# Altium PCB Engineer_Control.PcbDoc (part 2 of 2)
Units mil, origin at the board's own origin, x right, y up, seen from the top; angles counter-clockwise.
Board outline 2700 x 2145.06 mil, 2 copper layers (Top Layer, Bottom Layer); 168 components, 125 nets, 543 pads, 374 vias.
Unrouted connection lines stored in the file: 1.
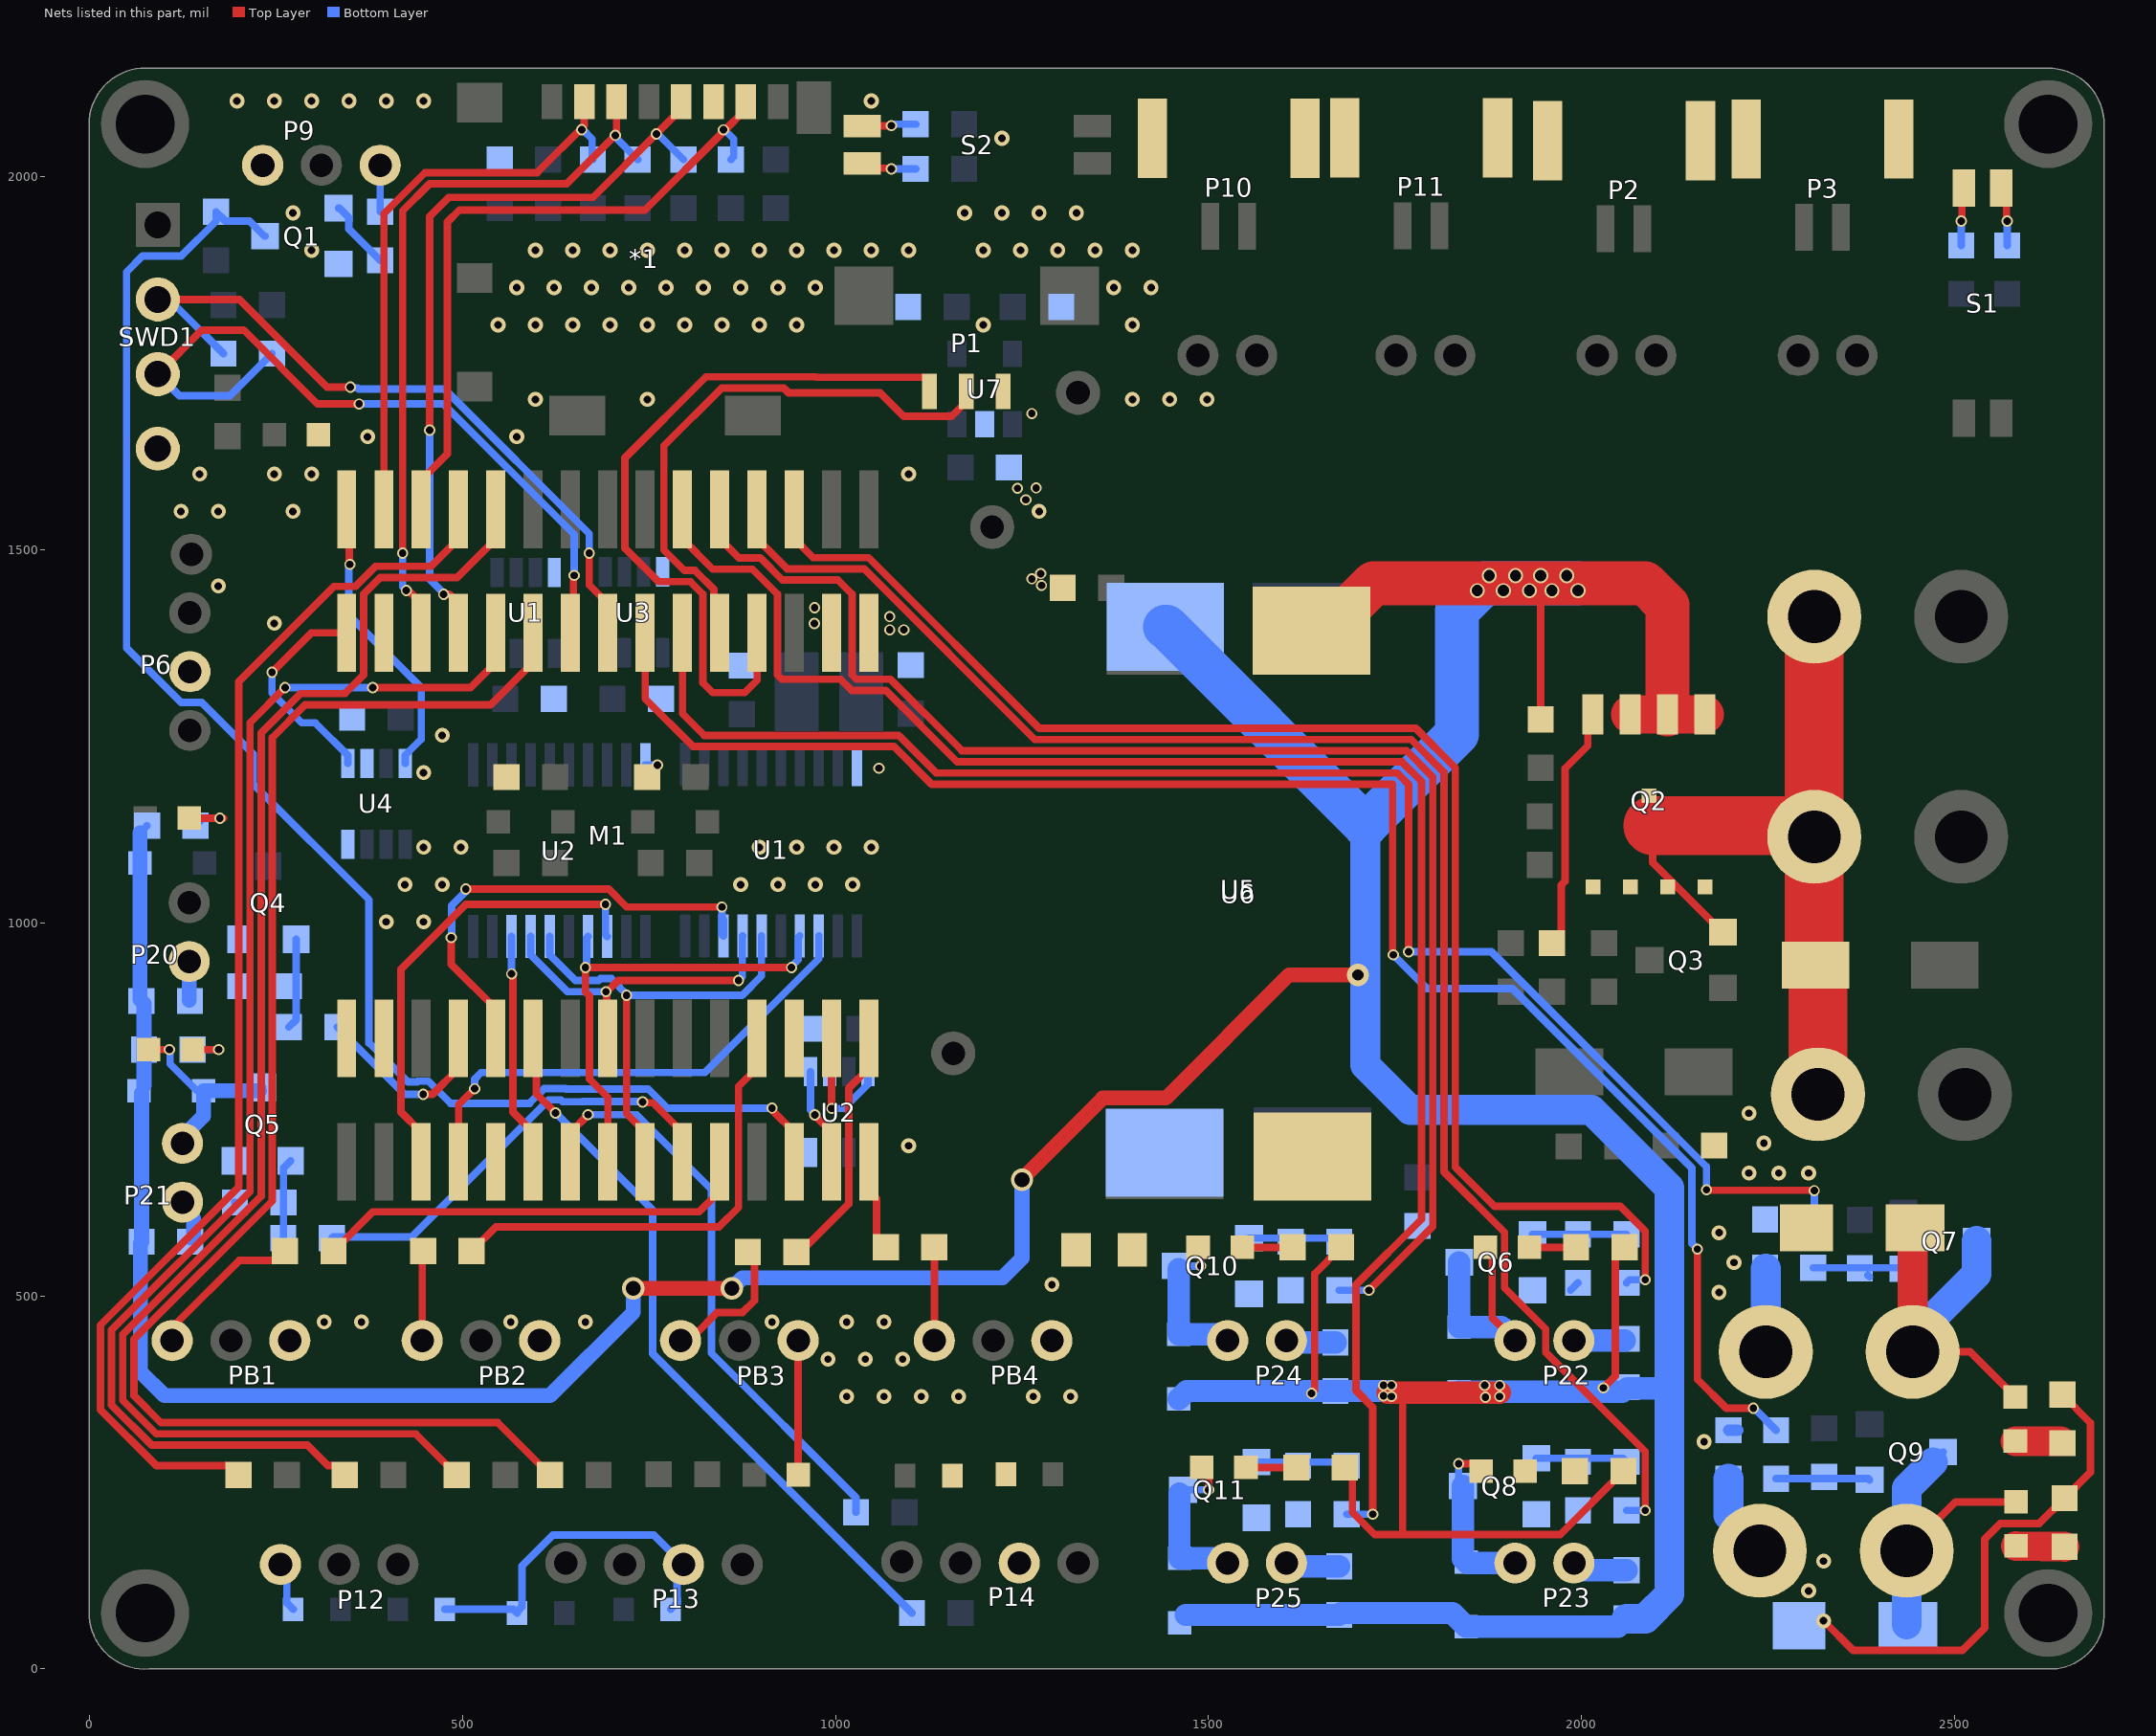
[diagram p2: the nets of this part, all layers, seen from the top]

## Via types
v1: diameter 20, hole 10, Top Layer to Bottom Layer, tented both sides, 245 vias
v2: diameter 15, hole 10, Top Layer to Bottom Layer, tented both sides, 108 vias
v3: diameter 20, hole 15, Top Layer to Bottom Layer, tented both sides, 10 vias
v4: diameter 30, hole 20, Top Layer to Bottom Layer, tented both sides, 5 vias
v5: diameter 39.37, hole 39.37, Top Layer to Bottom Layer, 2 vias
v6: diameter 55.12, hole 55.12, Top Layer to Bottom Layer, 2 vias
v7: diameter 30, hole 15, Top Layer to Bottom Layer, tented both sides, 1 vias
v8: diameter 50, hole 30, Top Layer to Bottom Layer, tented both sides, 1 vias

## Nets (pads, with @x,y where several pads share a name; then routed paths per layer and width w, separated by ;. In a path a pad name is that pad's centre, name@x,y a point inside that pad or via, vN(x,y) a via of type N, cw(c..) or ccw(c..) an arc to the next point about the centre after c; other vN are vias at no path point) (continued)
NetD12_1: D12.1 LED2.2 P21.2 Q5.3 | length 274.1
  Top Layer w10: LED2.2@79.39,830 v2(107.43,830)
  Bottom Layer w10: v2(107.43,830) 108.38,829.04 108.38,810.92 144.3,775 D12.1@153.31,775 ; Q5.3@228.31,775 Q5.3@232.52,779.21
  Bottom Layer w20: P21.2@116.58,704.37 153.31,741.1 D12.1@153.31,775 Q5.3@228.31,775
NetD13_1: D13.1 LED3.2 P22.2 Q6.3 | length 310.6
  Top Layer w10: LED3.2@1870.94,565 1880,555.94 1880,470.63 P22.2@1910.63,440
  Bottom Layer w30: Q6.3@1835.79,545 D13.1@1835.79,458.31 1892.32,458.31 P22.2@1910.63,440
NetD14_1: D14.1 LED4.2 P_out1.2 Q7.3 | length 514.1
  Top Layer w10: P_out1.2@2443.43,425 2520.51,425 LED4.2@2581,364.51 ; D14.1@2443.43,587.56 D14.1@2446.87,591
  Top Layer w40: P_out1.2@2443.43,425 D14.1@2443.43,587.56
  Bottom Layer w10: P_out1.2@2443.43,425 P_out1.2@2457.69,439.27
  Bottom Layer w40: P_out1.2@2457.69,439.27 2457.69,457.69 2529.21,529.21 Q7.3@2529.21,573.53
NetD15_1: D15.1 LED5.2 P23.2 Q8.3 | length 236.1
  Top Layer w10: v2(1835,275) 1855,275 LED5.2@1865,265
  Bottom Layer w10: v2(1835,275) 1835,250.79 Q8.3@1840.79,245 ; D15.1@1840.79,147.52 D15.1@1845,143.31 D15.1@1846.31,142
  Bottom Layer w30: D15.1@1840.79,147.52 Q8.3@1840.79,245 ; D15.1@1846.31,142 P23.2@1910.63,142
NetD16_1: D16.1 LED7.2 P24.2 Q10.3 | length 222.5
  Top Layer w10: LED7.2@1485.94,565 1489.37,561.57 v2(1489.37,540)
  Bottom Layer w10: Q10.3@1460,535.79 Q10.3@1455.79,540 v2(1489.37,540)
  Bottom Layer w30: Q10.3@1460,535.79 D16.1@1460,448.31 1517.32,448.31 P24.2@1525.63,440
NetD17_1: D17.1 LED6.2 P_out2.2 Q9.3 | length 435.8
  Top Layer w10: P_out2.2@2435.43,158.42 2500.86,223.86 LED6.2@2590,223.86
  Bottom Layer w10: D17.1@2435.43,59.44 D17.1@2436.87,58 ; Q9.3@2470.51,277.05 2470.51,278.03 2483.23,290.75 Q9.3@2484.21,290.75
  Bottom Layer w40: D17.1@2435.43,59.44 P_out2.2@2435.43,158.42 2435.43,241.96 Q9.3@2470.51,277.05
NetD18_1: D18.1 LED8.2 P25.2 Q11.3 | length 228.9
  Top Layer w10: LED8.2@1490.94,270 1500,260.94 v2(1500,240)
  Bottom Layer w10: Q11.3@1460.96,235.17 Q11.3@1465.79,240 v2(1500,240)
  Bottom Layer w30: Q11.3@1460.96,235.17 D18.1@1460.96,148.31 1519.32,148.31 P25.2@1525.63,142
NetF1_1: F1.1 P20.1 | length 53.4
  Bottom Layer w10: F1.1@134.06,895.94 F1.1@135,895
  Bottom Layer w20: F1.1@134.06,895.94 P20.1@134.06,948.03
NetF2_1: F2.1 P21.1 | length 65.7
  Bottom Layer w10: F2.1@135.26,572.5 F2.1@140,577.24
  Bottom Layer w20: P21.1@116.58,625.63 118.18,625.63 140,603.81 F2.1@140,577.24
NetF3_1: F3.1 P22.1 | length 71.7
  Bottom Layer w10: F3.1@2057.5,440 F3.1@2060,442.5
  Bottom Layer w30: P22.1@1989.37,440 F3.1@2057.5,440
NetF4_1: F4.1 P_out1.1 | length 112.8
  Bottom Layer w10: F4.1@2245.77,537.5 F4.1@2246.57,536.69
  Bottom Layer w40: P_out1.1@2246.57,425 F4.1@2246.57,536.69
NetF5_1: F5.1 P23.1 | length 74.6
  Bottom Layer w30: P23.1@1989.37,142 1998.87,132.5 F5.1@2060,132.5
NetF6_1: F6.1 P_out2.1 | length 113.9
  Bottom Layer w40: F6.1@2196.69,255 2196.69,205.91 2238.57,164.03 P_out2.1@2238.57,158.42
NetF7_1: F7.1 P24.1 | length 66.7
  Bottom Layer w30: P24.1@1604.37,440 1606.87,437.5 F7.1@1670,437.5
NetF8_1: F8.1 P25.1 | length 72.5
  Bottom Layer w30: P25.1@1604.37,142 1608.87,137.5 F8.1@1675,137.5
NetLED1_1: LED1.1 R30.2 | length 82.6
  Top Layer w10: LED1.1@134.06,1140 v2(175,1140) v2@180,1140
  Bottom Layer w10: R30.2@142.5,1130 152.5,1140 v2(175,1140)
NetLED2_1: LED2.1 R35.2 | length 70.3
  Top Layer w10: LED2.1@138.44,830 v2(173.58,830)
  Bottom Layer w10: R35.2@138.44,830 v2(173.58,830)
NetLED3_1: LED3.1 R40.2 | length 62.5
  Top Layer w10: LED3.1@1930,565 R40.2@1992.5,565
NetLED4_1: LED4.1 R43.2 | length 75
  Top Layer w10: R43.2@2641.5,305 R43.2@2644,302.5 R43.2@2655,302.5
  Top Layer w40: LED4.1@2581,305 R43.2@2641.5,305
NetLED5_1: LED5.1 R44.2
NetLED6_1: LED6.1 R49.2 | length 73
  Top Layer w10: R49.2@2647,162.5 R49.2@2655,162.5
  Top Layer w40: LED6.1@2582,164.8 R49.2@2647,163.88
NetLED7_1: LED7.1 R50.2 | length 67.5
  Top Layer w10: LED7.1@1545,565 R50.2@1612.5,564.98
NetLED8_1: LED8.1 R54.2 | length 67.5
  Top Layer w10: LED8.1@1550,270 R54.2@1617.5,270
NetP9_3: P9.3 R14.1 | length 62.5
  Bottom Layer w10: R14.1@390,1952.5 P9.3@390,2015
NetPB1_3: PB1.3 R33.1 | length 214.2
  Top Layer w10: PB1.3@111.26,440 111.26,462.56 116.27,462.56 201.21,547.5 250,547.5 R33.1@262.5,560
NetPB2_3: PB2.3 R34.1 | length 120.5
  Top Layer w10: PB2.3@446.26,440 446.26,558.76 R34.1@447.5,560
NetPB3_3: PB3.3 R38.1 | length 190
  Top Layer w10: PB3.3@792.52,440 801.15,448.63 812.36,448.63 841.28,477.56 875.43,477.56 891.42,493.55 891.42,549.84 R38.1@882.5,558.76
NetPB4_3: PB4.3 R39.1 | length 125
  Top Layer w10: PB4.3@1132.52,440 R39.1@1132.5,565
NetQ1_1: Q1.1 R14.2 | length 93.6
  Bottom Layer w10: Q1.1@334.21,1957.4 335.2,1957.4 347.91,1944.69 347.91,1929.59 R14.2@390,1887.5
NetQ2_4: Q2.4 R25.1 | length 329.3
  Top Layer w10: R25.1@1960,972.5 1972.5,985 1972.5,1050.2 1977.5,1055.2 1977.5,1206.43 2008.12,1237.05 2008.12,1272.17 Q2.4@2015,1279.06
NetQ4_1: Q4.1 R31.1 R32.2 | length 121.7
  Bottom Layer w10: R31.1@267.5,860 277.4,869.9 Q4.1@277.4,977.56
NetQ5_1: Q5.1 R36.1 R37.2 | length 107.6
  Bottom Layer w10: R36.1@260.14,577.24 260.36,577.46 R37.2@260.36,625 260.36,671.23 Q5.1@269.92,680.79
NetQ6_1: Q6.1 R41.1 R42.2 | length 125.8
  Bottom Layer w10: Q6.1@1934.21,582.4 2059.9,582.4 R41.1@2060,582.5
NetQ7_1: Q7.1 R46.1 R48.2 | length 124.4
  Bottom Layer w10: R48.2@2310,537.5 2372.5,537.5 2429.41,537.5 Q7.1@2430.79,536.13 ; R46.1@2383.6,527.5 R46.1@2385.79,525.31
NetQ8_1: Q8.1 R45.1 R47.2 | length 122.8
  Bottom Layer w10: Q8.1@1939.21,282.4 2055.1,282.4 R45.1@2060,277.5
NetQ9_1: Q9.1 R53.1 R55.2 | length 126
  Bottom Layer w10: R55.2@2260.49,255 2384.13,255 Q9.1@2385.79,253.35
NetQ10_1: Q10.1 R51.1 R52.2 | length 122.8
  Bottom Layer w10: Q10.1@1554.21,577.4 1670.1,577.4 R51.1@1675,572.5
NetQ11_1: Q11.1 R56.1 R57.2 | length 122.8
  Bottom Layer w10: Q11.1@1564.21,277.4 1680.1,277.4 R56.1@1685,272.5
NetR1_2: R1.2 S1.3 | length 79.7
  Top Layer w10: S1.3@2562.24,1984 2569.04,1977.2 2569.04,1940.96 v2(2570,1940)
  Bottom Layer w10: R1.2@2570,1907.5 v2(2570,1940)
NetR2_2: R2.2 S2.3 | length 71.8
  Top Layer w10: S2.3@1036,2067.24 1036.41,2067.65 1074.59,2067.65 v2(1075,2068.06)
  Bottom Layer w10: v2@1075,2070 R2.2@1107.5,2070
NetR3_2: R3.2 S1.4 | length 78.1
  Top Layer w10: v2(2508.43,1940) 2509.38,1940.96 2509.38,1981.14 S1.4@2512.24,1984
  Bottom Layer w10: R3.2@2508.43,1907.5 v2(2508.43,1940)
NetR4_2: R4.2 S2.4 | length 69.5
  Top Layer w10: S2.4@1036,2017.24 1042.29,2010.96 1074.04,2010.96 v2(1075,2010)
  Bottom Layer w10: v2@1080,2010 R4.2@1107.5,2010
PA0/SPI1_CS1: M1.51 U1.18 | length 644.8
  Top Layer w10: v2(485,980) 485,944.37 545,884.37 M1.51@545,845 ; v2(504.71,1045) 696.18,1045 720.09,1021.09 v2(847.81,1021.09)
  Bottom Layer w10: v2(485,980) 485.78,980.78 485.78,1022.83 v2@504.9,1041.95 ; v2(847.81,1021.09) 847.81,984.13 U1.18@849.81,982.13 U1.18@849.81,1004.13
PA1/SPI1_CS2: M1.50 U2.18 | length 313.8
  Top Layer w10: v2(566.02,931.37) 567.8,929.6 567.8,746.22 595,719.02 M1.50@595,679.65
  Bottom Layer w10: v2(566.02,931.37) U2.18@566.02,981.42
PA2/USART2_TX: M1.49 R18.2 | length 980.2
  Top Layer w10: M1.49@595,845 599.04,840.96 599.04,770.96 v2(625,745)
  Bottom Layer w10: v2(625,745) 755,615 755,455.6 754.96,455.56 754.96,422.54 R18.2@1102.5,75
PA3/USART2_RX: M1.48 R20.2 | length 792.6
  Top Layer w10: M1.48@645,679.65 645,719.02 668.39,742.4 v2(668.39,742.83)
  Bottom Layer w10: v2(668.39,742.83) 733.57,742.83 833.7,642.7 833.7,423.36 1027.5,229.57 R20.2@1027.5,210
PA5/SPI1_SCK: M1.46 U1.14 U2.14 | length 638.4
  Top Layer w10: M1.46@695,679.65 695,765.9 670.5,790.4 670.5,901.67 665,907.17 v2(665,940) v2(941.12,940)
  Bottom Layer w10: v2(665,940) 666.39,941.39 666.39,979.42 U2.14@668.39,981.42 ; v2(941.12,940) 941.12,941.35 950.17,950.4 950.17,980.13 U1.14@952.17,982.13
PA6/SPI1_MISO: M1.45 U1.17 U2.17 | length 455.8
  Top Layer w10: M1.45@695,845 692.5,847.5 693.46,848.46 693.46,906.54 v2(692.5,907.5) 693.85,907.5 708.85,922.5 v2(870,922.5)
  Bottom Layer w10: U2.17@591.61,981.42 591.61,956.87 640.98,907.5 v2(692.5,907.5) ; v2(870,922.5) 875.14,927.64 875.14,981.86 U1.17@875.4,982.13
PA7/SPI1_MOSI: M1.44 U1.16 U2.16 | length 631.6
  Top Layer w10: v2(720,902.8) 720,744.02 745,719.02 M1.44@745,679.65
  Bottom Layer w10: U2.16@617.2,981.42 617.2,956.87 651.57,922.5 682.75,922.5 685.25,925 699.75,925 710,914.75 710,914.15 720,904.15 v2(720,902.8) 875.04,902.8 900.99,928.74 U1.16@900.99,982.13
PA9/USART1_TX: M1.8 P1.1 | length 987.2
  Top Layer w10: M1.8@895,1388.31 895,1325 878.28,1308.28 835.42,1308.28 822.2,1321.5 822.2,1440.21 805.52,1456.89 762.67,1456.89 717.91,1501.65 717.91,1622.66 826.55,1731.3 973.57,1731.3 974.25,1730.62 1121.27,1730.62 1126.11,1725.78 P1.1@1126.11,1712
PA10/USART1_RX: M1.10 P1.2 | length 813.2
  Top Layer w10: M1.10@845,1388.31 837.2,1396.1 837.2,1446.42 811.74,1471.89 797.67,1471.89 770.22,1499.34 770.22,1638.89 847.63,1716.3 930.72,1716.3 937.02,1710 1060,1710 1091.62,1678.38 ; P1.2@1175.33,1712 1175.33,1698.22 1155.48,1678.38 1140.1,1678.38 ; 1091.62,1678.38 1140.1,1678.38 ; 1091.62,1678.38 1140.1,1678.38
PA11/VAL1: M1.12 R48.1 | length 2078.6
  Top Layer w10: M1.12@795,1388.31 795,1280 824,1251 1084.59,1251 1135.12,1200.47 1752.75,1200.47 1768,1185.21 v2(1768,961) ; v2(2167,642) 2167.5,641.5 2310.07,641.5 2310.57,642 v2(2311.57,641)
  Bottom Layer w10: v2(1768,961) 1879,961 2167,673 v2(2167,642) ; R48.1@2310,602.5 2311.57,604.07 v2(2311.57,641)
PA12/VAL2: M1.14 R55.1 | length 2305
  Top Layer w10: M1.14@745,1388.31 745,1300 809,1236 1078.37,1236 1128.9,1185.47 1746.53,1185.47 1746.53,957.85 v2(1747.49,956.89) ; v2(2155,562.72) 2155,388.23 2193.72,349.51 v2(2230,349.51)
  Bottom Layer w10: v2(1747.49,956.89) 1747.49,956.76 1792.51,911.74 1907.05,911.74 2147.5,671.29 2147.5,570.22 v2(2155,562.72) ; v2(2230,349.51) 2230.49,350 R55.1@2260.49,320
PA13/SWDIO: M1.16 R22.1 SWD1.2 | length 969.2
  Top Layer w10: SWD1.2@91.99,1835 201.36,1835 318.77,1717.59 v2(350,1717.59) ; v2(670,1495) 670,1452.68 695,1427.68 M1.16@695,1388.31
  Bottom Layer w10: SWD1.2@91.99,1835 101.38,1825.61 116.89,1825.61 R22.1@180,1762.5 ; v2(350,1717.59) 350.96,1716.63 359.43,1716.63 361.06,1715 476.11,1715 670,1521.11 v2(670,1495)
PA14/SWCLK: M1.18 R21.1 SWD1.3 | length 1018.1
  Top Layer w10: SWD1.3@91.99,1735 150.99,1794 207,1794 306,1695 v2(361.56,1695) ; M1.18@645,1388.31 649.04,1392.35 649.04,1464.34 v2(650,1465.3)
  Bottom Layer w10: SWD1.3@91.99,1735 120.99,1706 188.5,1706 R21.1@245,1762.5 ; v2(361.56,1695) 474.9,1695 650,1519.9 v2(650,1465.3)
PB0/TIM3_CH3/ADC_IN8: M1.40 R33.2 | length 590.1
  Top Layer w10: R33.2@327.5,560 379.98,612.48 817.2,612.48 845,640.28 M1.40@845,679.65
PB1/TIM3_CH4/ADC_IN9: M1.37 R34.2 | length 618.6
  Top Layer w10: R34.2@512.5,560 544.98,592.48 844.01,592.48 870,618.47 870,780.63 895,805.63 M1.37@895,845
PB3/SPI3_SCK: *1.5 M1.24 R8.1 | length 1035.5
  Top Layer w10: v2(456.21,1660) 456.21,1946.21 481.85,1971.85 675,1971.85 v2(760,2056.85) 793.31,2090.16 *1.5@793.31,2100 ; v2(475,1440) 482.68,1440 495,1427.68 M1.24@495,1388.31
  Bottom Layer w10: v2(456.21,1660) 456.21,1460.14 475,1441.35 v2(475,1440) ; v2(760,2056.85) 760.96,2055.89 762.87,2055.89 R8.1@796.26,2022.5
PB4/SPI3_MISO: *1.7 M1.25 R9.1 | length 922.5
  Top Layer w10: M1.25@445,1553.66 445,1593.03 480,1628.03 480,1938.79 496.21,1955 745,1955 v2@850,2060 ; v2(850,2062.36) v2@850,2060 ; *1.7@879.92,2100 879.92,2089.92 v2@850,2060
  Bottom Layer w10: v2(850,2062.36) 851.35,2062.36 863.72,2050 863.72,2026.22 R9.1@860,2022.5
PB5/SPI3_MOSI: *1.3 M1.26 R7.1 | length 995
  Top Layer w10: v2(420,1495) 420,1953.79 456.21,1990 640,1990 v2(705,2055) 706.69,2056.69 *1.3@706.69,2100 ; v2(425,1445) 425.96,1444.04 428.63,1444.04 445,1427.68 M1.26@445,1388.31
  Bottom Layer w10: v2(420,1495) 420,1450 v2(425,1445) ; v2(705,2055) 705.96,2054.04 705.96,2051.54 R7.1@735,2022.5
"PB6/SPI3 CS": *1.2 M1.27 R6.1 | length 792.6
  Top Layer w10: M1.27@395,1553.66 395,1950 450,2005 600.32,2005 663.39,2068.06 *1.2@663.39,2100
  Bottom Layer w10: v2(660,2062.56) 661.35,2062.56 673.91,2050 673.91,2023.59 R6.1@675,2022.5
PB7/I2C1_SDA: M1.28
PB8/CAN1_RX: M1.29 U4.4 | length 391.3
  Top Layer w10: M1.29@345,1553.66 348.41,1550.25 348.41,1480.96 v2(349.37,1480)
  Bottom Layer w10: v2@347.91,1480 347.91,1412.09 445,1315 445,1245.82 423.39,1224.21 U4.4@423.39,1213.38
PB9/CAN1_TX: M1.30 U4.1 | length 296.6
  Top Layer w10: v2(245,1335.39) 297.92,1388.31 M1.30@345,1388.31
  Bottom Layer w10: v2(245,1335.39) 245,1307.75 284.84,1267.91 302.91,1267.91 346.61,1224.21 U4.1@346.61,1213.38
PB10/TIM2_CH3: M1.35
PB11/USART3_RX/REMOTE: M1.36 Q1.3 R13.1 | length 2101.7
  Top Layer w10: v2(915,751.55) 915.96,750.6 915.96,748.06 945,719.02 M1.36@945,679.65
  Bottom Layer w10: Q1.3@235.54,1919.76 Q1.3@235.79,1920 234.8,1920 214.8,1940 182.5,1940 R13.1@170,1952.5 170,1939.81 123.38,1893.2 71.43,1893.2 50,1871.77 50,1368.14 123.06,1295.08 150.84,1295.08 220,1225.92 220,1185.46 375,1030.46 375,838.71 427.02,786.69 439.44,786.69 440.25,787.5 454.75,787.5 484.26,757.99 590.14,757.99 609.65,777.5 638.46,777.5 638.76,777.21 748.85,777.21 774.5,751.55 v2(915,751.55)
PB12/CAN2_RX: M1.33 U2.4@1043.39,800.37 | length 172.6
  Top Layer w10: v2(995,751.16) M1.33@995,845
  Bottom Layer w10: v2(995,751.16) 1011.27,751.16 1043.39,783.27 U2.4@1043.39,800.37
PB13/CAN2_TX: M1.34 U2.1@966.61,800.37 | length 132.5
  Top Layer w10: v2(972.24,742.4) 972.24,741.77 995,719.02 M1.34@995,679.65
  Bottom Layer w10: U2.1@966.61,800.37 966.61,749.38 972.24,743.75 v2(972.24,742.4)
PB14/TIM1_CH2N/TIM8_CH2N: M1.31 R38.2 | length 330
  Top Layer w10: R38.2@947.5,558.76 953.22,558.76 1017.8,623.34 1017.8,778.43 1045,805.63 M1.31@1045,845
PB15/TIM1_CH3N/TIM8_CH3N: M1.32 R39.2 | length 124
  Top Layer w10: M1.32@1045,679.65 1045,640.28 1055,630.28 1055,577.5 R39.2@1067.5,565
PC0/CAN4_EXTI: M1.56 U2.13 | length 623.2
  Top Layer w10: M1.56@445,679.65 445,719.02 417.8,746.22 417.8,937.54 504.71,1024.45 v2(691.98,1024.45)
  Bottom Layer w10: v2(691.98,1024.45) 691.98,983.42 U2.13@693.98,981.42
PC1/CAN3_EXTI: M1.54 U1.13 | length 678
  Top Layer w10: M1.54@495,679.65 495,756 v2(516.5,777.5)
  Bottom Layer w10: v2(516.5,777.5) 516.5,790.33 525.24,799.07 824.94,799.07 977.76,951.89 U1.13@977.76,982.13
PC2/DBG_KEY1: M1.52
PC3/VAL3: M1.53 R31.2 | length 254.3
  Top Layer w10: v2(447.5,770) 460,770 492.95,802.95 492.95,842.95 M1.53@495,845
  Bottom Layer w10: R31.2@332.5,860 422.5,770 v2(447.5,770)
PC4/VAL4: M1.42 R36.2 | length 604.2
  Top Layer w10: v2(741.6,759.71) 742.56,758.75 755.27,758.75 795,719.02 M1.42@795,679.65
  Bottom Layer w10: R36.2@325.14,577.24 326.84,578.94 432.31,578.94 615.87,762.5 632.25,762.5 634.67,760.08 660.88,760.08 661.14,760.33 740.97,760.33 v2(741.6,759.71)
PC6/VAL5: M1.5 R41.2 | length 1968.8
  Top Layer w10: M1.5@945,1553.66 945,1514.29 970.2,1489.09 1044.53,1489.09 1273.16,1260.47 1777.6,1260.47 1830.5,1207.57 1830.5,672.5 1883,620 2051.64,620 2085,586.64 v2(2085,521.63)
  Bottom Layer w10: R41.2@2060,517.5 2064.13,521.63 v2(2085,521.63)
PC7/VAL6: M1.7 R45.2 | length 2215
  Top Layer w10: M1.7@895,1553.66 895,1514.29 935.2,1474.09 1038.32,1474.09 1266.94,1245.47 1771.38,1245.47 1815.5,1201.35 1815.5,666.08 1896.69,584.89 1896.69,545.11 1896.69,510.68 1951.81,455.56 1951.81,424.44 2085,291.25 v2(2085,212.5)
  Bottom Layer w10: R45.2@2060,212.5 v2(2085,212.5)
PC8/VAL7: M1.9 R51.2 | length 1953.4
  Top Layer w10: M1.9@845,1553.66 845,1514.29 870.65,1488.64 899.44,1488.64 928.99,1459.09 1003.32,1459.09 1022.2,1440.21 1022.2,1332 1028.06,1326.14 1073.65,1326.14 1169.33,1230.47 1765.17,1230.47 1800.5,1195.14 1800.5,593.1 v2(1714.9,507.5)
  Bottom Layer w10: R51.2@1675,507.5 v2(1714.9,507.5)
PC9/VAL8: M1.11 R56.2 | length 2290.3
  Top Layer w10: M1.11@795,1553.66 795,1514.29 835.65,1473.64 888.77,1473.64 922.2,1440.21 922.2,1332 928.06,1326.14 1006.85,1326.14 1021.85,1311.14 1067.44,1311.14 1163.11,1215.47 1758.96,1215.47 1785.5,1188.93 1785.5,602.85 1697.4,514.75 1697.4,373.1 1720,350.5 v2(1720,207.5)
  Bottom Layer w10: R56.2@1685,207.5 v2(1720,207.5)
PC10/UART4_TX: M1.20 R17.2 | length 1990.8
  Top Layer w10: M1.20@595,1388.31 595,1348.94 537.88,1291.82 289.32,1291.82 245.43,1247.93 245.43,627.29 60,441.86 60,366.21 96.21,330 547.5,330 R17.2@617.5,260
PC11/UART4_RX: M1.21 R19.2 | length 1985
  Top Layer w10: R19.2@492.5,260 437.5,315 90,315 45,360 45,448.07 230.43,633.5 230.43,1254.15 283.11,1306.82 342.62,1306.82 367.8,1332 367.8,1440.21 390.09,1462.5 493.21,1462.5 545,1514.29 M1.21@545,1553.66
PC12/UART5_TX: M1.22 R16.2 | length 1744.8
  Top Layer w10: v2(262.5,1315) 215.43,1267.93 215.43,639.72 30,454.28 30,353.79 83.79,300 292.52,300 320.02,272.5 330,272.5 R16.2@342.5,260 ; v2(380,1315) 511.06,1315 545,1348.94 M1.22@545,1388.31
  Bottom Layer w10: v2(262.5,1315) v2(380,1315)
PD2/UART5_RX: M1.23 R15.2 | length 1686.6
  Top Layer w10: R15.2@200.02,260 187.52,272.5 90.07,272.5 15,347.57 15,460.5 200.43,645.93 200.43,1322.84 328.06,1450.47 356.85,1450.47 383.88,1477.5 458.21,1477.5 495,1514.29 M1.23@495,1553.66
PGND: 1.2 L1.1 L3.1 PB1.1 PB2.1 PB3.1 PB4.1 Q4.2 Q5.2 Q6.2 Q8.2 Q10.2 Q11.2 R32.1 R37.1 R42.1 R47.1 R52.1 R57.1 U5.4 | length 194.1
  Top Layer w10: PB3.1@950,440 950,260.46 1.2@950.13,260.32
  Bottom Layer w10: R37.1@195.12,625.24 R37.1@195.36,625 ; R42.1@1985.1,507.6 R42.1@1995,517.5
  other v1: 1015,365 1065,365 1115,365 1165,365 1265,365 1315,365 990,415 1040,415 1090,415 315,465 365,465 565,465 665,465 915,465 1015,465 1065,465 1290,515
SGND: 2.2 *1.6 C1.2 C2.2 C3.2 C4.2 C5.1 C6.1 C7.1 C8.1 C9.1 C12.1 C13.2 C14.1 D3.1 D4.1 D5.1 D6.1 D7.1 D8.1 L1.2 L2.1 M1.2 M1.4 M1.57 M1.59 P1.3 P2.0@1954.28,2048 P2.0@2159,2048 P3.0@2220.28,2050 P3.0@2425,2050 P6.2 P9.1 P10.0@1424.64,2051.11 P10.0@1629.36,2051.11 P11.0@1682.5,2051.69 P11.0@1887.22,2051.69 P12.3 P13.2 P14.2 Q1.2 SWD1.4 U1.2@597.8,1360.87 U1.8@623.39,1469.13 U1.10 U2.2@992.2,800.37 U2.8@966.61,692.1 U2.10 U3.2 U3.8 U4.2 U4.8 U6.4 U7.2 | length 568.6
  Top Layer w10: M1.57@395,845 M1.57@397.5,847.5
  Bottom Layer w10: P12.3@256.26,140 264.88,131.38 264.88,88.62 D4.1@273.5,80 ; D3.1@476.5,80 568.52,80 D5.1@573.5,75.02 573.5,76.99 580,83.48 580,138.23 621.33,179.56 756.7,179.56 P13.2@796.26,140 787.75,131.49 787.75,88.51 D6.1@779.25,80 ; U2.10@745.16,1211.42 745.58,1211 v2@761.1,1211
  other v1: 1098,701 398,1001 448,1001 423,1051 473,1051 873,1051 923,1051 973,1051 1023,1051 448,1101 498,1101 898,1101 948,1101 998,1101 1048,1101 448,1201 473,1251 248,1401 173,1451 123,1551 173,1551 273,1551 1273,1551 148,1601 248,1601 298,1601 1098,1601 373,1651 573,1651 598,1701 748,1701 1398,1701 1448,1701 1498,1701 548,1801 598,1801 648,1801 698,1801 748,1801 798,1801 848,1801 898,1801 948,1801 1198,1801 1398,1801 573,1851 623,1851 673,1851 723,1851 773,1851 823,1851 873,1851 923,1851 973,1851 1373,1851 1423,1851 298,1901 598,1901 648,1901 698,1901 748,1901 798,1901 848,1901 898,1901 948,1901 998,1901 1048,1901 1098,1901 1198,1901 1248,1901 1298,1901 1348,1901 1398,1901 273,1951 1173,1951 1223,1951 1273,1951 1323,1951 1223,2051 198,2101 248,2101 298,2101 348,2101 398,2101 448,2101 1048,2101
  other v2: 1058.18,1207 761.51,1211 1072.76,1392.38 1091.62,1392.38 971.74,1401 1072.76,1410 972,1422 1276.13,1451.77 1263.23,1460.67 1275.08,1467.69 1255,1566.64 1244.01,1582.09 1268.84,1582.5 1263.23,1682.18
VBAT: D9.2 D14.2 D17.2 F4.2 F6.2 P17.1 P18.1 P19.1 Q2.5 Q2.6 Q2.7 Q2.8 Q2.9 Q3.2 R23.1 R43.1 R49.1 | length 1725.8
  Top Layer w10: 2095,1130 2095,1080.63 2188.23,987.4 Q3.2@2189.21,987.4 ; D9.2@2306.57,936.38 D9.2@2313.39,943.19 D9.2@2311.57,945 ; P19.1@2311.57,1410 P19.1@2314.07,1407.5 ; P18.1@2314.07,1117.5 P18.1@2316.57,1115 ; v1(2324,64.57) 2363.57,25 2510,25 2540,55 2540,174 2560.8,194.8 2612.93,194.8 R49.1@2647,228.88 2681.52,263.4 2681.52,329.98 R43.1@2644,367.5
  Top Layer w78.74: 2095,1130 P18.1@2311.57,1130 ; D9.2@2311.57,945 P18.1@2311.57,1115 P18.1@2311.57,1130 ; P19.1@2311.57,1410 P18.1@2311.57,1130 ; P17.1@2316.57,770 D9.2@2316.57,938.19
  Bottom Layer w15: F6.2@2196.69,320 F6.2@2209.24,320
  other v1: 2304,104.57 2324,144.57 2164,304.57 2184,504.57 2204,544.57 2184,584.57 2224,664.57 2264,664.57 2304,664.57 2244,704.57 2224,744.57
VIN: D11.2 D12.2 D13.2 D15.2 D16.2 D18.2 F1.2 F2.2 F3.2 F5.2 F7.2 F8.2 Q2.1 Q2.2 Q2.3 R24.1 R30.1 R35.1 R40.1 R44.1 R50.1 R54.1 U5.1 U6.1 | length 8404.9
  Top Layer w10: v2(1638.04,369.2) 1641.93,373.09 1641.93,529.41 R50.1@1677.5,564.98 R50.1@1690,577.48 ; U6.1@1639.04,1392.38 U6.1@1638.04,1391.38 U6.1@1657.72,1391.38 ; R54.1@1682.5,270 1692.76,259.74 1692.76,210 1722.75,180 1760,180 ; 1760,370 1760,180 ; v3@1945,1455 R24.1@1945,1272.5 R24.1@1950,1277.5 ; v2(2028.98,376.61) 2045,392.64 2045,552.5 R40.1@2057.5,565 ; R44.1@2055.91,265 1970.91,180 1760,180 ; Q2.3@2065,1279.06 Q2.3@2065,1292.09
  Top Layer w20: v4(729.2,510) v4(861.11,510) ; v4(1250,655.48) 1250,656.66 1358.36,765.03 1442.77,765.03 1607.94,930.2 1608.14,930 v7(1700,930)
  Top Layer w30: v2@1740,370 1760,370 v2@1890,370
  Top Layer w51.18: Q2.3@2065,1279.06 Q2.2@2115,1279.06 Q2.1@2165,1279.06
  Top Layer w59.06: U6.1@1657.72,1391.38 1721.35,1455 1895,1455 1930,1455 1945,1455 1980,1455 2085,1455 2115,1425 Q2.2@2115,1279.06
  Bottom Layer w10: R30.1@67.95,1120.45 R30.1@77.5,1130 ; F2.2@68.7,570.94 F2.2@70.26,572.5 ; F1.2@70,895 F1.2@73.44,891.56 ; D12.2@70.26,771.43 D12.2@66.69,775 D12.2@73.44,781.75 ; D18.2@1463.51,66.23 D18.2@1469.78,72.5 ; F8.2@1675,72.5 F8.2@1677.5,75 ; D13.2@1834.98,372.5 D13.2@1835.79,371.69 ; F3.2@2054.19,371.69 F3.2@2060,377.5 F3.2@2061.5,376
  Bottom Layer w20: R30.1@67.95,1120.45 D11.2@67.95,1080 67.95,897.05 F1.2@70,895 ; F2.2@68.7,570.94 68.7,398.3 100.7,366.3 617.55,366.3 729.2,477.94 v4(729.2,510) ; F2.2@70.26,572.5 D12.2@70.26,771.43 ; D12.2@73.44,781.75 R35.1@73.44,830 F1.2@73.44,891.56 ; v4(861.11,510) 875.24,524.14 1223.84,524.14 1250,550.3 v4(1250,655.48)
  Bottom Layer w30: D16.2@1460,361.69 1470.81,372.5 F7.2@1670,372.5 1740,372.5 ; D18.2@1469.78,72.5 F8.2@1675,72.5 ; F8.2@1677.5,75 1770,75 1826.67,75.02 D15.2@1845,56.69 2048.38,56.69 F5.2@2061.68,70 ; D13.2@1835.79,371.69 F3.2@2054.19,371.69 ; F3.2@2061.5,376 2117.5,376
  Bottom Layer w40: 1710,1130 1710,809.24 1770,749.24 2013.02,749.24 2117.5,644.76 2117.5,376 2117.5,100 2085,67.5 F5.2@2060,67.5
  Bottom Layer w59: U5.1@1441.96,1396.38 1443.62,1396.38 1710,1130 1832.5,1252.5 1832.5,1417.5 v3(1860,1445) 1870,1455 1876.05,1455 1895,1455 1911.37,1455 1930,1455 1980,1455 1995,1455
  other v2: 1870.94,364.06 1745,365 1890,365 1734.37,365.89 1734.37,380 1745,380 1870,380 1890,380
  other v3: 1895,1445 1930,1445 1960,1445 1995,1445 1876.05,1465 1911.37,1465 1945,1465 1980,1465
pads on no net: *1.9 *1.10 *1.11 *1.12 *1.13 *1.14 M1.6 M1.13 M1.15 M1.17 M1.19 M1.38 M1.39 M1.41 M1.43 M1.47 M1.55 M1.58 M1.60 P1.0 P2.0@2000.54,1916.11 P3.0@2266.54,1918.11 P4.0 P5.0 P6.0 P7.0 P8.0 P9.0 P10.0@1470.9,1919.22 P11.0@1728.76,1919.8 P12.0 P13.0 P14.0 P20.0 P21.0 P22.0 P23.0 P24.0 P25.0 PB1.0 PB2.0 PB3.0 PB4.0 U1.4@875.4,1212.13 U1.5 U1.6@926.58,1212.13 U1.7@952.17,1212.13 U1.11 U1.12 U1.15 U2.3@566.02,1211.42 U2.4@591.61,1211.42 U2.5 U2.6@642.8,1211.42 U2.7@668.39,1211.42 U2.8@693.98,1211.42 U2.11 U2.12 U2.15 U3.5 U4.5
copper on no net:
  other v5: 1107.01,762.32 1107.01,1470.98
  other v6: 282.99,762.32 282.99,1470.98

## Polygon pours and split planes (outlines as drawn)
PGND on Bottom Layer "Bottom Layer-PGND 1" (solid, remove dead copper, pour order 4): 55,495 84.06,524.06 1215,524.06 1265,561.01 1265,690 1329.06,754.06 1715,754.06 1730,739.06 1730,624.06 1745,609.06 2073.44,609.06 2095,587.5 2095,40.02 2069.04,14.06 1470,14.06 1444,40.05 1444,250.05 1385,309.06 75.94,309.05 55,330
GND_IN on Bottom Layer "Bottom Layer-GND_IN 2" (solid, remove dead copper, pour order 32): 1765.37,628.64 1742.87,651.14 1742.87,1335.95 1961.92,1555 2570,1555 2620,1505 2615,1500 2615,705 2535,625
SGND on Bottom Layer "Bottom Layer-SGND" (solid, remove dead copper, pour order 26): 10,1955 179.36,2124.36 179.36,2130 1205,2130 1543,1792 1543,1568.85 1145.55,1279.87 1149.62,642.84 516.07,642.84 370,788.91 370,1045.57 145.57,1270 70,1270 10,1330
PGND on Bottom Layer "Bottom Layer-PGND" (solid, remove dead copper, pour order 18): 75.94,309.05 35,350 35,1116.89 63.11,1145 214.21,1145 355,1004.21 355,515 370,500 370,335 355.94,335 330,309.05
VBAT on Bottom Layer "Bottom Layer-VBAT" (solid, remove dead copper, pour order 16): 2395,790 2350,835 2265,835 2140,710 2140,18 2153,5 2328.21,5 2350,32.68 2350,684.95 2395.11,730
GND_IN on Bottom Layer "Bottom Layer-GND_IN" (solid, remove dead copper, pour order 14): 2483.23,835 2441.3,793.07 2441.3,703.07 2305.73,567.5 2302.5,213.09 2345.76,208.76 2345.76,49 2369.61,29.47 2527.76,26.76 2688.23,187.23 2688.23,705 2558.23,835
no net on Bottom Layer "Bottom Layer-No Net 2" (solid, pour order 46): 2302.5,235 2302.5,191.17 2289.58,178.26 2303.02,164.81 2303.02,234.48
no net on Bottom Layer "Bottom Layer-No Net 1" (solid, pour order 24): 256.9,1625
GND_IN on Bottom Layer "Bottom Layer-GND_IN 1" (solid, pour order 6): 1575,1335 1555,1355 1555,1450 1545,1460 1300,1460 1290,1470 1290,1495 1415,1620 1885,1620 1895,1610 1895,1495 1890,1490 1745,1490 1715,1460 1715,1345 1705,1335
no net on Bottom Layer "Bottom Layer-No Net" (solid, pour order 12): 2465,840
SGND on Top Layer "Top Layer-SGND" (solid, remove dead copper, pour order 28): 99.49,531.49 18.04,612.94 18.04,2013.9 150,2138.9 153.04,2138.9 2514.18,2138.9 2668.04,1985.04 2668.04,1696.4 2600.54,1628.9 1344.49,1628.9 1344.49,1256.31 1376.08,1224.72 1706.61,1224.72 1822.84,1108.49 1817.48,712.96 1718.42,613.91 1358.49,613.9 1344.49,613.9 1278.04,613.9 1178.71,512.1 870.51,517.64
VBAT on Top Layer "Top Layer-VBAT" (solid, pour order 44): 2211.43,745.69 2211.43,795.43 2236,844.85 2391,844 2404,831 2404,504 2336,436 2336,60 2312,36 2187,36 2096,127 2096,630.26 2159,659 2159,732.69 2172,745.69
PGND on Top Layer "Top Layer-PGND" (solid, pour order 30): 15,460.5 78.2,523.69 1245.6,523.69 1268.75,558.76 1268.75,614.57 1328.75,694.31 1345,694.31 1350.12,689.19 1345,348.44 1291.56,295 67.57,295 15,347.57
SGND on Top Layer "Top Layer-SGND 1" (solid, pour order 10): 166.95,252.84 201.46,285.82 1299.45,285.82 1351.95,338.32 1351.95,733.32 1380.33,761.7 1697.32,761.7 1721.95,737.07 1721.95,43.32 1691.95,13.32 1691.95,8.32 196.95,8.32 166.95,38.32
GND_IN on Top Layer "Top Layer-GND_IN" (solid, pour order 0): 1340,1271 1340,1545 1415,1620 2535,1620 2683,1472 2679,155 2663,144 2567,144 2535,21 2402.93,21 2340.72,68.85 2343.22,433.61 2402.93,493.32 2405,837.71 2388,852 2218,853 2203,842 2203,772 2163,772 2136,718 2090,630 2061,630 1970,630 1886,630 1838,678 1838,1216 1783,1271
no net on Top Layer "Top Layer-No Net" (solid, pour order 20): 135,1185

## Keep-outs
Keep-Out Layer:
  the board outline again, w10

## Other copper
Top Layer:
  pour cut-out: 821.16,424.96 841.44,424.96 848.04,418.36 848.04,416.78 815.74,416.78
  pour cut-out: 1155.74,416.78 1164.24,425.28 1164.24,431.5 1179.54,431.5 1188.04,423 1188.04,416.78
  pour cut-out: 2314.84,1968.39 2330.43,1968.39 2329,1966.95 2329,1958.8 2314.39,1958.8 2312.59,1957
  pour cut-out: 2047.2,1966.5 2049.7,1964 2066.2,1964 2066.2,1953.6 2062.18,1949.57 2046.02,1949.57
  pour cut-out: 1774.48,1736.78 1806.78,1736.78 1812,1731.56 1767.68,1731.56
  pour cut-out: 1494.01,1845.99 1549,1845.99 1551.76,1843.23 1491.25,1843.23
  pour cut-out: 1494.01,1845.99 1549.21,1845.99
  pour cut-out: 1509.57,1968.39
  pour cut-out: 1677,914.71 1653.11,890.82 1653.11,887.85 1659.85,887.85 1687,915
Bottom Layer:
  pour cut-out: 878.95,893.38 892.4,879.92 892.4,880.47 898.93,887 890.34,895.59 882.25,895.59
  pour cut-out: 1307,1520 1285.84,1541.16 1284,1541.16 1284,1541.36 1294.95,1552.3 1315.99,1531.27 1315.99,1529
  pour cut-out: 1514.07,1743.58 1535.93,1743.58 1543,1736.51 1543,1735.36 1505.85,1735.36
  pour cut-out: 259.49,1897.28 259,1896.8 259,1883 250.15,1883 249,1884.15 249,1899
  pour cut-out: 83.44,808.73 154.46,808.73 164.12,799.07 157.76,792.71 157.76,550 83.99,550
  pour cut-out: 157.5,876.62 157.5,854.18 155.32,852 145.32,862 137.31,862
  pour cut-out: 157.28,1003.55 157.28,970.93 154.57,968.23 138,984.79 138,998.33
  pour cut-out: 158,1002
  pour cut-out: 553.44,423.58 597.02,380 534.37,380
  pour cut-out: 127.68,468.44 185.72,468.44 173.7,456.42 139.7,456.42
  pour cut-out: 2218.26,344.6 2218.26,335.91 2218.26,336.81
  pour cut-out: 2218.23,344.63 2218.26,344.6 2218.26,329.01 2233.37,313.89 2235.65,316.17 2235.65,329.86
  pour cut-out: 319.76,2046.72 321.48,2045 599.29,2045 611.3,2057.01 609.25,2059.05 285,2059.05

## Silkscreen, mask and mechanical layers (free items; w line width, h text height)
Top Overlay:
  text "2" at 1280.88,2060 h20
  text "1" at 1285,2015 h20
  text "3V3" at 172.99,1895 h30
  text "DBUS" at 304,1894 h30
  text "L" at 1434,1890 h60
  text "H" at 1590,1890 h60
  text "3V3" at 1321.68,1762 h30
  text "3" at 2509.42,1720 h20
  text "4" at 2560,1720 h20
  text "3V3" at 365.21,1638 h30
  text "UART_1" at 1100,1635 h30
  text "CAN_1" at 1461.26,1630 h30
  text "CAN_3" at 1990.26,1625 h30
  text "CAN_2" at 1731.26,1620 h30
  text "CAN_4" at 2261.26,1620 h30
  text "GND" at 152,1584 h30
  text "CAN_2" at 65,1535 h30
  text "5V_S" at 1270.91,1503.15 h30
  text "PC3" at 93.44,1067.4 h30
  text "PC4" at 93.44,755 h30
  text "5V_P" at 1214,672 h30 r90
  text "PA11" at 2256.14,560.71 h30
  text "PB14" at 737.44,534.5 h30
  text "PB15" at 1173.63,532.48 h30
  text "PB1" at 596,530 h30
  text "PC6" at 2094.37,518.31 h30 r270
  text "PC8" at 1718.56,504.88 h30 r270
  text "PB0" at 34,282 h30
  text "PA12" at 2249.26,255.71 h30
  text "PC7" at 2096.82,223.63 h30 r270
  text "PC9" at 1725.71,212.97 h30 r270
  text "UART_5" at 164.12,80.12 h30 r90
  text "UART_4" at 543.03,40.12 h30 r90
  text "UART_2" at 994.29,40.12 h30 r90